# Altium PCB PCB_3U_DAC_no_BNC.PCBDOC (part 3 of 7)
Units mm, origin at the board's own origin, x right, y up, seen from the top; angles counter-clockwise.
Board outline 160 x 100 mm, 4 copper layers (TopLayer, Internal Plane 2, Signal Layer 1, BottomLayer), stack 1.563 mm thick; 706 components, 563 nets, 2139 pads, 736 vias.
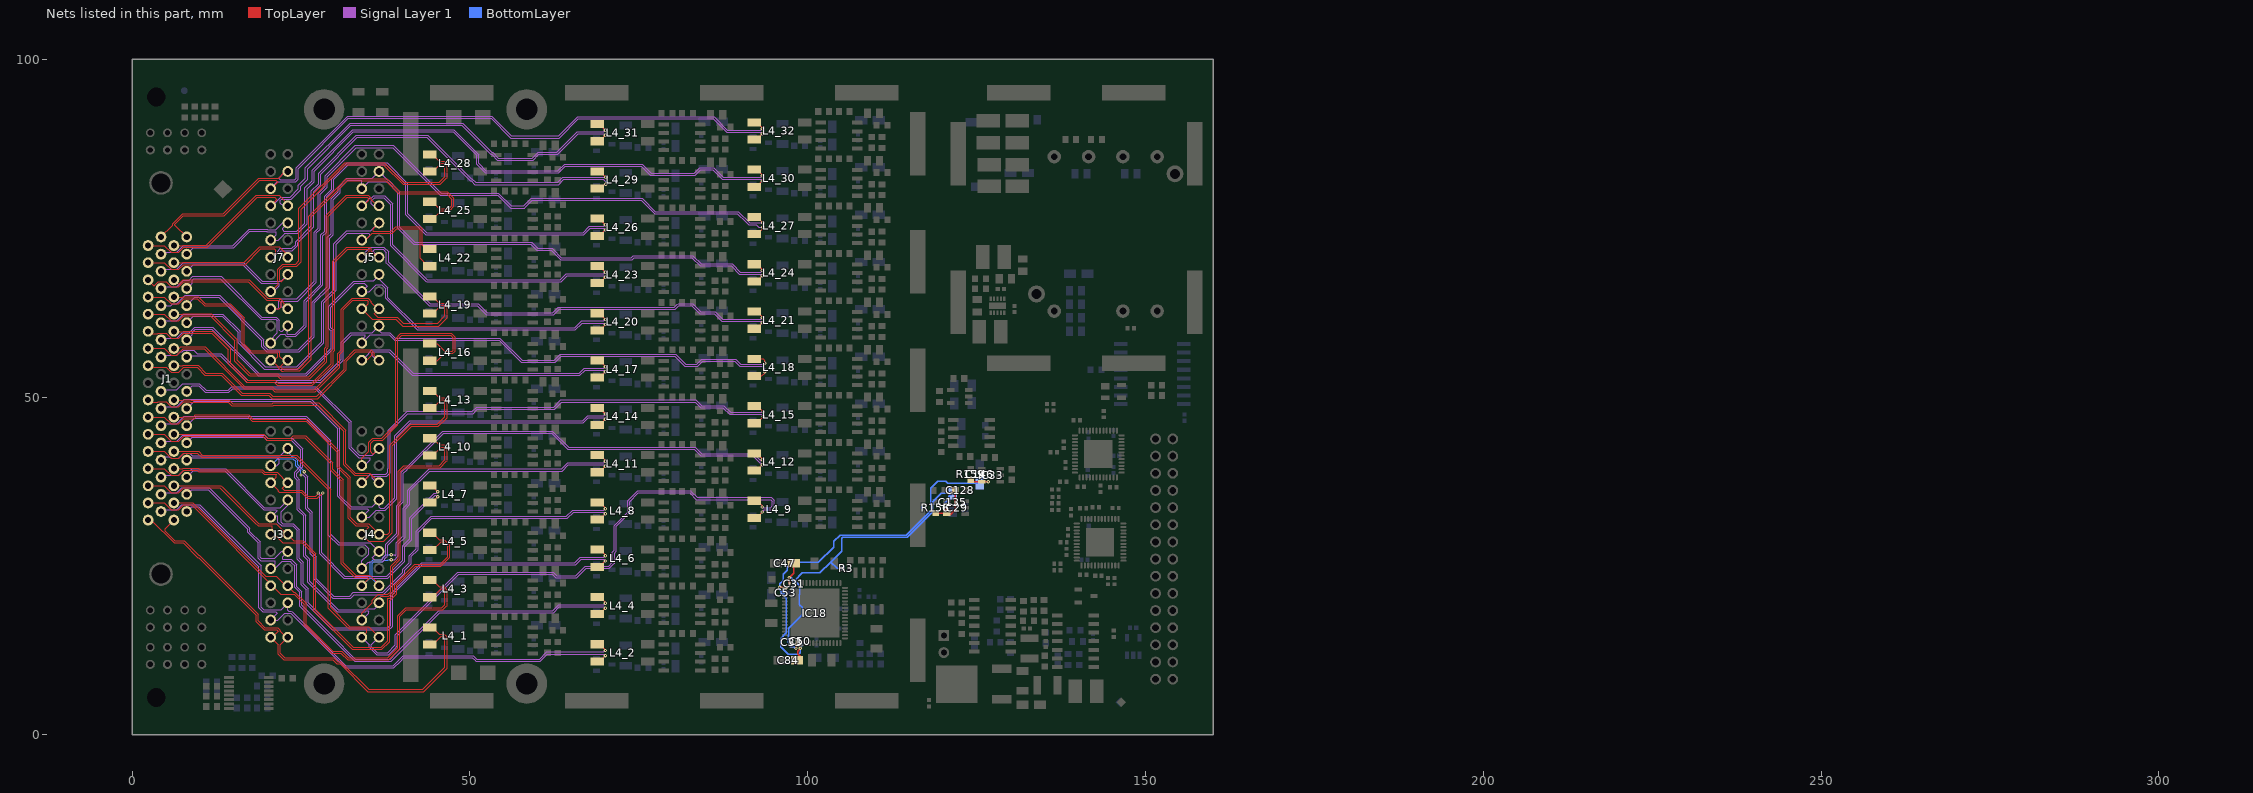
[diagram p5: the nets of this part, all layers, seen from the top]

## Via types
v1: diameter 0.5, hole 0.2, TopLayer to BottomLayer, tented both sides, 685 vias
v2: diameter 1, hole 0.5, TopLayer to BottomLayer, tented both sides, 21 vias
v3: diameter 0.6, hole 0.3, TopLayer to BottomLayer, tented both sides, 21 vias
v4: diameter 1, hole 0.6, TopLayer to BottomLayer, tented both sides, 9 vias

## Nets (pads, with @x,y where several pads share a name; then routed paths per layer and width w, separated by ;. In a path a pad name is that pad's centre, name@x,y a point inside that pad or via, vN(x,y) a via of type N, cw(c..) or ccw(c..) an arc to the next point about the centre after c; other vN are vias at no path point) (continued)
DAC_OUT_N1: J1.35 J3.2 L4_1.3 | length 68.1
  TopLayer w0.152: J1.35@2.355,31.801 2.838,31.801 6.194,28.445 7.54,28.445 9.732,26.254 9.826,26.254 18.335,17.745 18.335,16.762 19.529,15.567 21.407,15.567 21.61,15.364 20.712,14.466 J3.2@20.492,14.466 21.61,13.349 21.61,11.936 22.424,11.122 29.707,11.122 30.289,10.541 30.778,10.541 34.896,6.423 43.15,6.423 46.605,9.878 46.605,14.5 46.186,14.919 45.432,14.919 L4_1.3@44.506,15.845 ; L4_1.3@44.046,15.921 44.046,16.025 44.325,16.025 L4_1.3@44.506,15.845 ; L4_1.3@44.122,15.845 L4_1.3@44.506,15.845
DAC_OUT_N2: J1.36 J3.5 L4_2.3 | length 84.2
  TopLayer w0.152: L4_2.3@68.846,13.421 69.256,13.421 70.051,12.626 v1(70.051,12.496)
  Signal Layer 1 w0.152: J1.36@4.26,33.071 4.527,33.338 6.581,33.338 7.327,34.084 10.003,34.084 19.071,25.015 19.071,18.92 19.452,18.539 22.025,18.539 J3.5@23.032,19.546 23.032,18.425 23.143,18.314 23.574,18.314 23.679,18.209 23.719,18.209 23.897,18.03 23.897,17.991 31.63,10.259 38.616,10.259 39.594,11.237 40.089,11.732 50.467,11.732 50.966,11.234 60.306,11.234 61.346,12.274 69.829,12.274 v1(70.051,12.496)
DAC_OUT_N3: J1.37 J3.8 L4_3.3 | length 68.4
  TopLayer w0.152: J1.37@2.355,34.341 4.746,34.341 5.749,33.338 6.918,33.338 7.654,34.074 8.486,34.074 8.524,34.036 8.807,34.036 22.016,20.828 23.953,20.828 25.438,19.342 25.438,16.218 29.464,12.192 29.553,12.103 30.9,12.103 31.878,11.125 37.972,11.125 39.631,12.784 39.631,17.533 40.589,18.491 45.946,18.491 46.515,19.061 46.605,19.15 46.605,21.5 46.515,21.589 46.186,21.919 45.432,21.919 L4_3.3@44.506,22.845 ; L4_3.3@44.046,22.921 44.046,23.025 44.325,23.025 L4_3.3@44.506,22.845 ; L4_3.3@44.122,22.845 L4_3.3@44.506,22.845
DAC_OUT_N4: J1.38 J3.11 L4_4.3 | length 89.2
  TopLayer w0.152: L4_4.3@68.846,20.421 69.241,20.421 70.051,19.611 v1(70.051,19.496)
  Signal Layer 1 w0.152: J1.38@4.26,35.611 4.527,35.878 6.581,35.878 7.327,36.624 11.4,36.624 17.42,30.603 17.42,30.096 18.944,28.572 18.944,26.306 19.133,26.117 21.117,26.117 22.166,27.166 J3.11@23.032,27.166 22.25,26.384 22.25,26 23.508,26 24.34,25.168 24.34,21.951 25.072,21.219 25.072,19.187 25.162,19.098 29.517,14.742 33.036,11.224 38.216,11.224 39.195,12.202 45.405,18.412 62.25,18.412 63.112,19.274 69.829,19.274 v1(70.051,19.496)
DAC_OUT_N5: J1.39 J3.14 L4_5.3 | length 76.9
  TopLayer w0.152: J1.39@2.355,36.881 4.746,36.881 5.749,35.878 6.918,35.878 7.654,36.614 12.96,36.614 18.17,31.405 18.636,30.938 20.752,30.938 20.752,29.965 22.269,28.448 25.146,28.448 26.873,26.721 26.873,18.372 32.596,12.649 36.956,12.649 38.1,13.793 38.1,19.939 38.214,19.939 39.047,20.772 39.136,20.861 39.136,22.118 41.964,24.946 45.705,24.946 47.041,26.282 47.041,28.064 46.186,28.919 45.432,28.919 L4_5.3@44.506,29.845 ; L4_5.3@44.046,29.921 44.046,30.025 44.325,30.025 L4_5.3@44.506,29.845 ; L4_5.3@44.122,29.845 L4_5.3@44.506,29.845
DAC_OUT_N6: J1.40 J3.17 L4_6.3 | length 95
  TopLayer w0.152: L4_6.3@68.846,27.421 69.302,27.421 70.051,26.672 v1(70.051,26.496) v1@69.926,26.622
  Signal Layer 1 w0.152: J1.40@4.26,38.151 4.527,38.418 6.918,38.418 7.654,39.154 8.598,39.154 8.861,39.418 13.813,39.418 19.579,33.652 21.898,33.652 J3.17@23.032,34.786 23.032,34.032 22.029,33.029 22.029,31.471 22.257,31.243 23.86,31.243 24.71,30.392 24.71,26.163 25.306,25.568 25.306,22.351 26.037,21.619 26.037,19.587 29.769,15.856 37.814,15.856 38.034,16.075 38.147,16.075 38.274,16.202 38.274,20.933 42.826,25.486 65.541,25.486 66.329,26.274 69.829,26.274 v1(70.051,26.496)
DAC_OUT_N7: J1.41 J3.20 L4_7.3 | length 68.4
  TopLayer w0.152: J1.41@2.355,39.421 4.746,39.421 5.749,38.418 6.918,38.418 7.654,39.154 9.658,39.154 9.877,38.935 19.148,38.935 19.44,38.644 19.529,38.554 21.307,38.554 21.345,38.517 21.345,38.179 J3.20@20.492,37.326 21.61,36.209 21.61,36.066 21.789,35.887 24.99,35.887 25.879,34.998 27.423,34.998 28.211,35.787 v1(28.211,35.811) ; L4_7.3@43.721,36.921 L4_7.3@44.046,36.921 44.359,36.921 45.251,36.029 v1(45.251,35.996)
  Signal Layer 1 w0.152: v1(28.211,35.811) 28.038,35.637 28.038,26.931 31.476,23.492 37.69,23.492 40.052,25.854 40.052,28.01 40.976,28.934 41.065,29.023 41.065,32.134 44.705,35.774 45.029,35.774 v1(45.251,35.996)
DAC_OUT_N8: J1.42 J3.23 L4_8.3 | length 94.6
  TopLayer w0.152: L4_8.3@68.846,34.421 69.287,34.421 70.051,33.657 v1(70.051,33.496) v1@69.926,33.622
  Signal Layer 1 w0.152: J1.42@4.26,40.691 4.765,41.196 5.512,41.196 5.749,40.958 6.918,40.958 7.067,41.107 7.655,41.694 8.486,41.694 8.875,41.305 21.931,41.305 J3.23@23.032,42.406 ; v1(25.455,38.944) 25.455,38.698 25.879,38.274 25.968,38.185 25.968,33.613 26.641,32.94 26.641,26.963 27.236,26.367 27.236,23.151 29.837,20.55 32.213,20.55 32.745,21.083 37.058,21.083 40.052,24.076 40.052,24.489 41.017,25.455 41.017,26.538 42.03,27.552 42.03,30.124 44.25,32.344 64.271,32.344 65.201,33.274 69.829,33.274 v1(70.051,33.496)
  BottomLayer w0.152: J3.23@23.032,42.406 23.032,41.883 23.72,41.196 23.922,41.196 24.482,40.636 24.482,40.002 25.455,39.029 v1(25.455,38.944)
DAC_OUT_N9: J1.43 J4.2 L4_9.3 | length 137.5
  TopLayer w0.152: J1.43@2.355,41.961 4.746,41.961 5.749,40.958 6.918,40.958 7.654,41.694 9.658,41.694 10.258,41.094 24.228,41.094 29.054,36.268 29.054,18.743 31.632,16.165 32.098,15.698 34.722,15.698 34.722,15.195 J4.2@33.992,14.466 ; L4_9.3@92.046,34.671 92.482,34.671 93.251,33.901 v1(93.251,33.746)
  Signal Layer 1 w0.152: J4.2@33.992,14.466 35.11,13.349 35.11,12.952 36.178,11.884 37.943,11.884 38.921,12.863 39.264,13.206 39.264,14.692 48.348,23.776 58.606,23.776 58.614,23.768 59.242,23.768 59.25,23.776 62.206,23.776 62.732,23.25 65.818,23.25 67.204,24.635 70.633,24.635 71.306,25.309 71.395,25.398 71.395,26.922 71.56,27.087 71.649,27.176 71.649,30.859 73.66,32.87 73.66,34.544 74.93,35.814 82.55,35.814 83.516,34.848 94.488,34.848 94.75,34.586 94.75,33.914 94.486,33.651 93.347,33.651 v1(93.251,33.746)
DAC_OUT_N10: J1.44 J4.5 L4_10.3 | length 90.2
  TopLayer w0.152: J4.5@36.532,19.546 36.532,20.226 36.83,20.523 37.972,20.523 38.463,21.014 38.552,21.103 38.552,24.836 39.696,25.98 39.696,38.934 40.335,39.573 45.592,39.573 46.515,40.496 46.605,40.586 46.605,42.5 46.515,42.589 46.186,42.919 45.432,42.919 L4_10.3@44.506,43.845 ; L4_10.3@44.046,43.921 44.046,44.025 44.325,44.025 L4_10.3@44.506,43.845 ; L4_10.3@44.122,43.845 L4_10.3@44.506,43.845
  Signal Layer 1 w0.152: J1.44@4.26,43.231 4.527,43.498 6.581,43.498 7.454,44.371 19.649,44.371 20.077,43.943 23.7,43.943 25.271,42.373 25.271,39.693 24.333,38.756 24.333,38.209 24.748,37.794 24.748,33.468 24.837,33.379 25.675,32.54 25.675,26.563 26.271,25.968 26.271,22.751 30.479,18.543 34.408,18.543 34.531,18.666 35.912,18.666 36.532,19.287 J4.5@36.532,19.546
DAC_OUT_N11: J1.45 J4.8 L4_11.3 | length 103
  TopLayer w0.152: J1.45@2.355,44.501 4.746,44.501 5.749,43.498 6.918,43.498 7.654,44.234 19.354,44.234 19.951,43.638 23.574,43.638 23.951,44.015 25.548,44.015 29.409,40.155 29.409,39.203 30.959,37.653 30.959,25.347 32.864,23.441 32.987,23.318 34.821,23.318 35.023,23.116 J4.8@33.992,22.086 ; L4_11.3@68.846,41.421 69.127,41.421 69.578,40.97 69.723,40.97 70.051,40.642 v1(70.051,40.496)
  Signal Layer 1 w0.152: v1(38.354,26.67) 38.83,26.67 38.96,26.54 39.087,26.667 39.087,28.41 40.011,29.334 40.1,29.423 40.1,33.555 40.724,34.179 40.814,34.268 40.814,36.242 43.939,39.367 63.547,39.367 64.454,40.274 69.829,40.274 v1(70.051,40.496)
  BottomLayer w0.152: J4.8@33.992,22.086 35.2,23.294 35.2,25.48 35.654,25.934 36.894,25.934 37.63,26.67 v1(38.354,26.67)
DAC_OUT_N12: J1.46 J4.11 L4_12.3 | length 125.5
  TopLayer w0.152: L4_12.3@92.046,41.671 92.441,41.671 93.155,40.957 93.155,40.843 v1(93.251,40.746)
  Signal Layer 1 w0.152: J1.46@4.26,45.771 4.527,46.038 6.581,46.038 7.708,47.165 25.751,47.165 29.358,43.557 29.358,29.715 30.628,28.445 33.422,28.445 33.451,28.474 35.224,28.474 J4.11@36.532,27.166 35.563,26.197 35.826,25.934 36.957,25.934 37.088,26.066 37.088,26.222 37.532,26.666 37.541,26.666 37.541,28.229 39.135,29.823 39.135,33.955 39.849,34.668 39.849,38.888 40.834,39.874 40.863,39.874 45.973,44.983 62.198,44.983 64.588,42.593 83.314,42.593 84.292,41.615 92.006,41.615 92.096,41.526 93.023,40.599
DAC_OUT_N13: J1.47 J4.14 L4_13.3 | length 80.8
  TopLayer w0.152: J1.47@2.355,47.041 4.746,47.041 5.749,46.038 6.918,46.038 7.654,46.774 9.206,46.774 9.495,47.063 17.124,47.063 17.742,46.445 25.786,46.445 30.374,41.856 30.374,39.602 31.975,38.002 31.975,32.078 33.029,31.024 33.118,30.934 34.816,30.934 35,30.75 35,30.714 J4.14@33.992,29.706 34.996,28.703 37.262,28.703 38.463,29.904 38.463,42.781 41.351,45.669 45.315,45.669 46.605,46.959 46.605,49.5 46.186,49.919 45.432,49.919 L4_13.3@44.506,50.845 ; L4_13.3@44.046,50.921 44.046,51.025 44.325,51.025 L4_13.3@44.506,50.845 ; L4_13.3@44.122,50.845 L4_13.3@44.506,50.845
DAC_OUT_N14: J1.48 J4.17 L4_14.3 | length 94.5
  TopLayer w0.152: L4_14.3@68.846,48.421 L4_14.3@69.127,48.421 ; L4_14.3@69.127,48.421 v1(70.051,47.496) 70.051,47.627 69.257,48.421 L4_14.3@69.127,48.421
  Signal Layer 1 w0.152: J1.48@4.26,48.311 4.527,48.578 6.581,48.578 7.708,49.705 26.513,49.705 30.755,45.462 30.755,35.43 32.406,33.779 35.525,33.779 J4.17@36.532,34.786 36.532,33.718 36.696,33.554 37.338,33.554 38.883,35.1 38.883,37.592 38.858,37.617 38.858,44.269 41.119,46.53 66.664,46.53 67.408,47.274 69.829,47.274 v1(70.051,47.496)
DAC_OUT_N15: J1.49 J4.20 L4_15.3 | length 112.8
  TopLayer w0.152: J1.49@2.355,49.581 2.714,49.222 3.752,49.222 3.844,49.314 5.013,49.314 5.749,48.578 6.918,48.578 7.654,49.314 8.486,49.314 8.578,49.222 14.247,49.222 14.755,48.714 20.857,48.714 20.976,48.833 27.461,48.833 31.34,44.955 31.34,40.002 32.914,38.427 34.75,38.427 34.916,38.261 34.916,38.25 J4.20@33.992,37.326 ; L4_15.3@92.046,48.671 92.553,48.671 v1(93.396,47.828)
  Signal Layer 1 w0.152: J4.20@33.992,37.326 35.271,38.605 37.563,38.605 37.85,38.893 37.85,39.401 37.893,39.443 37.893,45.081 40.687,47.876 50.339,47.876 50.974,48.511 62.404,48.511 63.471,49.578 83.439,49.578 84.273,48.744 87.577,48.744 88.569,47.752 93.32,47.752 v1(93.396,47.828)
DAC_OUT_N16: J1.50 J4.23 L4_16.3 | length 75.3
  TopLayer w0.152: J4.23@36.532,42.406 35.782,41.656 35.56,41.656 35.306,41.91 35.306,43.18 35.764,43.638 37.074,43.638 39.327,45.89 39.327,58.548 39.91,59.131 47.118,59.131 47.498,58.751 47.498,56.941 47.36,56.803 46.239,56.803 45.122,57.921 L4_16.3@44.046,57.921
  Signal Layer 1 w0.152: J1.50@4.26,50.851 4.527,51.118 6.581,51.118 7.454,51.991 9.94,51.991 10.931,51 14.183,51 14.75,51.567 27.19,51.567 32.406,46.351 32.406,42.574 33.577,41.403 35.529,41.403 J4.23@36.532,42.406
DAC_OUT_N17: J1.53 J5.2 L4_17.3 | length 81.7
  TopLayer w0.152: J1.53@2.355,54.661 2.622,54.394 5.013,54.394 5.749,53.658 6.918,53.658 7.654,54.394 9.614,54.394 10.759,53.25 13.185,53.25 16.082,50.353 16.171,50.264 20.235,50.264 20.7,49.799 27.469,49.799 31.695,54.025 31.695,55.294 33.1,56.698 35.218,56.698 35.531,56.385 35.531,56.258 34.739,55.466 J5.2@33.992,55.466 ; L4_17.3@68.846,55.421 69.217,55.421 70.051,54.586 v1(70.051,54.496)
  Signal Layer 1 w0.152: J5.2@33.992,55.466 34.98,56.453 34.98,56.495 35.488,57.003 38.088,57.003 41.576,53.515 66.141,53.515 66.9,54.274 69.829,54.274 v1(70.051,54.496)
DAC_OUT_N18: J1.54 J5.5 L4_18.3 | length 102.7
  TopLayer w0.152: L4_18.3@92.046,55.671 93.376,55.671 93.624,55.423 v1(93.624,55.042)
  Signal Layer 1 w0.152: J1.54@4.26,55.931 4.527,56.198 6.581,56.198 7.083,56.7 7.42,56.7 7.654,56.934 9.123,56.934 9.622,56.436 13.178,56.436 13.267,56.347 17.081,52.533 27.868,52.533 30.959,55.623 30.959,58.14 32.374,59.555 33.565,59.555 33.577,59.543 35.529,59.543 J5.5@36.532,60.546 36.532,59.828 36.838,59.522 38.159,59.522 38.953,58.728 54.428,58.728 57.703,55.453 60.387,55.453 60.392,55.458 61.02,55.458 61.025,55.453 62.488,55.453 63.293,56.258 63.383,56.347 80.467,56.347 81.918,54.897 83.599,54.897 84.328,55.626 89.331,55.626 90.093,54.864 93.447,54.864 v1(93.624,55.042)
DAC_OUT_N19: J1.55 J5.8 L4_19.3 | length 67.6
  TopLayer w0.152: J1.55@2.355,57.201 4.746,57.201 5.749,56.198 6.581,56.198 7.53,57.147 10.652,57.147 16.481,51.318 16.571,51.229 20.635,51.229 21.1,50.764 27.069,50.764 30.73,54.425 30.73,56.348 30.857,56.475 31.263,56.881 31.263,62.913 32.669,64.318 34.797,64.318 34.915,64.2 34.915,63.81 34.191,63.086 J5.8@33.992,63.086 35.529,61.549 39.035,61.549 40.083,60.501 45.384,60.501 46.605,61.722 46.605,63.5 46.186,63.919 45.432,63.919 L4_19.3@44.506,64.845 ; L4_19.3@44.046,64.921 44.046,65.025 44.325,65.025 L4_19.3@44.506,64.845 ; L4_19.3@44.122,64.845 L4_19.3@44.506,64.845
DAC_OUT_N20: J1.56 J5.11 L4_20.3 | length 86.2
  TopLayer w0.152: L4_20.3@68.846,62.421 69.127,62.421 v1(70.051,61.496)
  Signal Layer 1 w0.152: J1.56@4.26,58.471 4.527,58.738 6.581,58.738 7.403,59.56 8.429,59.56 9.242,60.373 11.908,60.373 18.783,53.498 25.658,53.498 29.435,57.274 29.435,59.814 29.181,60.068 29.091,60.157 29.091,63.458 29.181,63.547 32.796,67.163 34.408,67.163 34.476,67.231 35.731,67.231 J5.11@36.532,68.032 ; J5.11@36.532,68.166 J5.11@36.532,68.032 ; v1(70.051,61.496) 69.829,61.274 66.519,61.274 65.491,60.246 59.28,60.246 59.242,60.284 58.614,60.284 58.576,60.246 42.338,60.246 37.84,64.743 37.84,66.168 36.532,67.476 J5.11@36.532,68.032
DAC_OUT_N21: J1.57 J5.14 L4_21.3 | length 125
  TopLayer w0.152: J1.57@2.355,59.741 2.714,59.382 3.752,59.382 3.844,59.474 5.013,59.474 5.749,58.738 6.918,58.738 7.654,59.474 11.804,59.474 14.245,57.033 14.245,54.919 16.881,52.283 16.97,52.194 21.034,52.194 21.5,51.729 26.669,51.729 29.765,54.824 29.765,56.747 29.892,56.874 29.981,56.964 29.981,69.963 31.898,71.879 35.023,71.879 35.11,71.792 35.11,71.625 34.191,70.706 J5.14@33.992,70.706 ; L4_21.3@92.046,62.671 92.447,62.671 93.251,61.866 v1(93.251,61.746)
  Signal Layer 1 w0.152: J5.14@33.992,70.706 33.992,70.939 35.238,72.184 37.257,72.184 37.944,71.497 37.944,69.974 44.116,63.802 51.228,63.802 52.549,62.481 62.277,62.481 63.09,63.294 80.244,63.294 80.704,63.754 80.793,63.843 82.964,63.843 83.054,63.754 84.149,62.659 86.28,62.659 87.415,61.524 93.029,61.524 v1(93.251,61.746)
DAC_OUT_N22: J1.58 J5.17 L4_22.3 | length 66.3
  TopLayer w0.152: J5.17@36.532,75.786 35.676,74.93 35.676,74.56 35.682,74.554 38.341,74.554 39.026,75.239 42.623,75.239 42.921,74.942 42.921,72.519 43.519,71.921 L4_22.3@44.046,71.921
  Signal Layer 1 w0.152: J1.58@4.26,61.011 4.527,61.278 6.581,61.278 7.581,62.278 13.432,62.278 15.973,59.737 15.973,58.163 19.673,54.463 24.337,54.463 28.038,58.163 28.038,64.101 29.866,65.93 29.866,72.742 31.721,74.597 35.343,74.597 J5.17@36.532,75.786
DAC_OUT_N23: J1.59 J5.20 L4_23.3 | length 111.7
  TopLayer w0.152: J1.59@2.355,62.281 4.746,62.281 5.749,61.278 6.918,61.278 7.654,62.014 11.555,62.014 15.211,58.358 15.211,55.319 17.281,53.249 17.37,53.159 21.434,53.159 21.899,52.694 26.27,52.694 28.8,55.224 28.8,57.147 28.927,57.274 29.016,57.363 29.016,76.766 31.808,79.558 34.797,79.558 35,79.355 35,79.135 34.191,78.326 J5.20@33.992,78.326 ; L4_23.3@68.846,69.421 69.127,69.421 v1(70.051,68.496)
  Signal Layer 1 w0.152: J5.20@33.992,78.326 35.216,79.55 35.487,79.55 35.742,79.805 37.376,79.805 38.555,78.626 38.555,72.538 43.697,67.396 63.384,67.396 64.262,68.274 69.829,68.274 v1(70.051,68.496)
DAC_OUT_N24: J1.60 J5.23 L4_24.3 | length 126.4
  TopLayer w0.152: L4_24.3@92.046,69.671 92.483,69.671 93.251,68.902 v1(93.251,68.746)
  Signal Layer 1 w0.152: J1.60@4.26,63.551 5.733,63.551 6,63.818 6.581,63.818 7.835,65.072 12.924,65.072 19.489,58.507 19.489,57.591 20.077,57.003 24.591,57.003 26.641,59.052 26.641,64.069 28.901,66.33 28.901,73.633 29.435,74.166 29.435,79.361 30.476,80.402 30.476,81.099 31.78,82.403 35.529,82.403 J5.23@36.532,83.406 37.764,82.174 37.859,82.174 38.032,82.001 39.087,80.946 39.631,80.401 39.631,75.144 41.83,72.946 59.134,72.946 59.223,72.857 60.022,72.058 62.149,72.058 62.277,71.93 63.547,70.66 73.879,70.66 74.085,70.866 74.174,70.955 82.969,70.955 83.058,70.866 84.204,69.72 88.817,69.72 90.014,68.524 93.029,68.524 v1(93.251,68.746)
DAC_OUT_N25: J1.61 J7.2 L4_25.3 | length 85.4
  TopLayer w0.152: J1.61@2.355,64.821 4.746,64.821 5.749,63.818 6.918,63.818 7.654,64.554 9.661,64.554 10.718,63.497 14.398,63.497 16.271,61.624 16.271,57.738 17.42,56.588 21.561,56.588 21.561,56.004 21.023,55.466 J7.2@20.492,55.466 20.607,55.466 21.61,54.463 21.61,54.337 22.045,53.902 22.134,53.813 22.387,53.813 22.476,53.902 24.764,53.902 26.467,55.604 26.467,76.687 31.822,82.042 37.525,82.042 39.482,80.085 46.527,80.085 47.296,79.316 47.296,78.358 46.856,77.919 45.432,77.919 L4_25.3@44.506,78.845 ; L4_25.3@44.046,78.921 44.046,79.025 44.325,79.025 L4_25.3@44.506,78.845 ; L4_25.3@44.122,78.845 L4_25.3@44.506,78.845
DAC_OUT_N26: J1.62 J7.5 L4_26.3 | length 102.2
  TopLayer w0.152: L4_26.3@68.846,76.421 69.127,76.421 v1(70.051,75.496)
  Signal Layer 1 w0.152: J1.62@4.26,66.091 4.527,66.358 6.581,66.358 7.53,67.307 8.429,67.307 8.988,67.866 13.178,67.866 19.198,61.846 19.943,61.846 19.951,61.854 21.349,61.854 21.8,61.402 21.8,59.904 21.954,59.75 22.236,59.75 J7.5@22.936,60.45 ; J7.5@23.032,60.546 J7.5@22.936,60.45 ; v1(70.051,75.496) 69.829,75.274 67.662,75.274 66.731,74.343 43.601,74.343 40.805,77.139 40.805,81.641 40.75,81.696 37.905,84.541 37.732,84.714 31.869,84.714 29.511,82.356 29.511,80.802 28.469,79.761 28.469,74.566 27.936,74.033 27.936,66.73 25.447,64.24 25.447,60.652 24.109,59.314 22.936,59.314 J7.5@22.936,60.45
DAC_OUT_N27: J1.63 J7.8 L4_27.3 | length 123.5
  TopLayer w0.152: J1.63@2.355,67.361 3.21,66.507 3.257,66.507 3.844,67.094 5.013,67.094 5.749,66.358 6.918,66.358 7.654,67.094 17.174,67.094 19.951,64.318 21.705,64.318 22.029,63.994 22.029,63.37 21.745,63.086 J7.8@20.492,63.086 ; L4_27.3@92.046,76.671 92.161,76.556 92.608,76.556 93.345,75.819 v1(93.345,75.794)
  Signal Layer 1 w0.152: J7.8@20.492,63.086 21.614,63.086 21.724,63.197 21.724,64.246 22.011,64.532 24.374,64.532 26.971,67.129 26.971,74.432 27.504,74.966 27.504,80.161 28.546,81.202 28.546,82.756 33.044,87.254 38.677,87.254 45.72,80.211 54.218,80.211 56.134,78.295 57.975,78.295 59.103,79.423 75.488,79.423 77.441,77.47 89.703,77.47 91.379,75.794 v1(93.345,75.794)
DAC_OUT_N28: J1.64 J7.11 L4_28.3 | length 67.5
  TopLayer w0.152: J7.11@23.032,68.166 22.916,68.05 22.976,67.99 23.032,67.99 22.098,67.056 21.844,67.31 21.844,68.834 22.408,69.398 24.363,69.398 24.51,69.545 24.992,70.027 24.992,77.837 31.564,84.409 37.174,84.409 40.1,81.483 45.592,81.483 46.515,82.406 46.605,82.496 46.605,84.5 46.515,84.589 46.186,84.919 45.432,84.919 L4_28.3@44.506,85.845 ; L4_28.3@44.046,85.921 44.046,86.025 44.325,86.025 L4_28.3@44.506,85.845 ; L4_28.3@44.122,85.845 L4_28.3@44.506,85.845
  Signal Layer 1 w0.152: J1.64@4.26,68.631 4.527,68.898 6.581,68.898 7.581,69.898 16.48,69.898 19.215,67.163 20.908,67.163 20.925,67.18 22.046,67.18 J7.11@23.032,68.166
DAC_OUT_N29: J1.65 J7.14 L4_29.3 | length 88.4
  TopLayer w0.152: J1.65@2.355,69.901 4.746,69.901 5.749,68.898 6.918,68.898 7.654,69.634 16.699,69.634 19.003,71.938 21.062,71.938 21.25,71.75 21.25,71.111 20.845,70.706 J7.14@20.492,70.706 ; L4_29.3@68.846,83.421 69.233,83.421 v1(70.104,82.55)
  Signal Layer 1 w0.152: J7.14@20.492,70.706 20.845,70.706 21.51,71.371 21.51,71.574 21.942,72.006 23.593,72.006 24.177,72.59 24.177,73.003 26.539,75.366 26.539,80.56 27.58,81.602 27.58,83.155 33.175,88.75 43.75,88.75 50.164,82.336 50.291,82.336 50.851,81.775 62.979,81.775 63.754,82.55 v1(70.104,82.55)
DAC_OUT_N30: J1.66 J7.17 L4_30.3 | length 110.3
  TopLayer w0.152: L4_30.3@92.046,83.671 92.478,83.671 93.251,82.898 v1(93.251,82.746)
  Signal Layer 1 w0.152: J1.66@4.26,71.171 4.527,71.438 6.581,71.438 7.581,72.438 14.88,72.438 17.293,74.851 20.009,74.851 20.077,74.783 21.283,74.783 22.286,75.786 J7.17@23.032,75.786 23.032,75.782 22.25,75 22.25,74.75 22.446,74.554 24.363,74.554 25.574,75.765 25.574,80.96 26.615,82.002 26.615,83.555 32.615,89.555 47.626,89.555 47.996,89.185 51.284,85.897 51.284,84.606 52.365,83.525 63.025,83.525 64.003,84.503 75.485,84.503 76.828,83.16 83.211,83.16 84.024,83.972 86.055,83.972 87.504,82.524 93.029,82.524 v1(93.251,82.746)
DAC_OUT_N31: J1.67 J7.20 L4_31.3 | length 85.5
  TopLayer w0.152: J1.67@2.355,72.441 4.746,72.441 5.749,71.438 6.918,71.438 7.654,72.174 11.111,72.174 18.495,79.558 21.108,79.558 21.416,79.25 J7.20@20.492,78.326 ; L4_31.3@68.846,90.421 69.127,90.421 v1(70.051,89.496)
  Signal Layer 1 w0.152: J7.20@20.492,78.326 20.718,78.326 22.018,79.626 23.415,79.626 24.609,80.82 24.609,81.36 25.65,82.401 25.65,83.955 32.25,90.555 48.909,90.555 49.314,90.15 53.234,86.23 53.36,86.23 54.195,85.395 59.236,85.395 60.072,86.23 62.836,86.23 65.879,89.274 69.829,89.274 v1(70.051,89.496)
DAC_OUT_N32: J1.68 J7.23 L4_32.3 | length 106.1
  TopLayer w0.152: J1.68@4.26,73.711 6.013,75.464 6.013,75.688 7.461,77.137 13.483,77.137 18.749,82.403 21.67,82.403 22.674,83.406 J7.23@23.032,83.406 ; L4_32.3@92.046,90.671 92.463,90.671 93.251,89.883 v1(93.251,89.746)
  Signal Layer 1 w0.152: J7.23@23.032,83.406 22.656,83.406 21.75,82.5 21.75,82.323 21.899,82.174 24.058,82.174 24.282,82.398 24.282,83.952 31.885,91.555 53.243,91.555 56.134,88.664 63.11,88.664 65.937,91.491 86.15,91.491 88.117,89.524 93.029,89.524 v1(93.251,89.746)
DAC_OUT_P1: J1.1 J3.1 L4_1.4 | length 65.5
  TopLayer w0.152: J1.1@6.165,31.801 4.885,30.521 4.885,30.185 6.32,28.75 7.667,28.75 9.858,26.559 9.952,26.559 18.64,17.871 18.64,16.888 19.656,15.872 21.533,15.872 21.915,15.49 21.915,15.364 22.813,14.466 J3.1@23.032,14.466 21.915,13.349 21.915,12.062 22.55,11.427 29.834,11.427 30.415,10.846 30.904,10.846 35.022,6.728 43.024,6.728 46.3,10.005 46.3,14.374 46.072,14.602 45.717,14.602 44.496,13.381 L4_1.4@44.046,13.381
DAC_OUT_P2: J1.2 J3.4 L4_2.4 | length 81.5
  TopLayer w0.152: L4_2.4@68.846,10.881 69.25,10.881 70.051,11.682 v1(70.051,11.746)
  Signal Layer 1 w0.152: J1.2@8.07,33.071 8.778,33.779 9.877,33.779 18.767,24.889 18.767,18.794 19.326,18.234 21.266,18.234 21.5,18 J3.4@20.506,17.006 ; J3.4@20.492,17.006 J3.4@20.506,17.006 ; v1(70.051,11.746) 69.829,11.969 61.472,11.969 60.522,11.018 60.432,10.929 50.839,10.929 50.75,11.018 50.341,11.427 40.216,11.427 39.721,10.932 38.742,9.954 31.503,9.954 29.522,11.935 23.448,18.009 22.555,18.009 21.552,17.006 J3.4@20.506,17.006
DAC_OUT_P3: J1.3 J3.7 L4_3.4 | length 62.3
  TopLayer w0.152: J1.3@6.165,34.341 7.49,34.341 7.528,34.379 8.612,34.379 8.65,34.341 8.934,34.341 19.783,23.492 21.357,23.492 J3.7@22.763,22.086 ; J3.7@23.032,22.086 23.032,21.976 23.876,21.133 24.079,21.133 25.654,19.558 25.743,19.469 25.743,16.344 29.68,12.408 31.026,12.408 32.004,11.43 37.846,11.43 39.327,12.911 39.327,17.66 40.463,18.796 45.819,18.796 46.3,19.277 46.3,21.374 46.072,21.602 45.717,21.602 44.496,20.381 L4_3.4@44.046,20.381
DAC_OUT_P4: J1.4 J3.10 L4_4.4 | length 85
  TopLayer w0.152: L4_4.4@68.846,17.881 69.186,17.881 v1(70.051,18.746)
  Signal Layer 1 w0.152: J1.4@8.07,35.611 8.778,36.319 11.274,36.319 17.116,30.477 17.116,29.97 18.64,28.446 18.64,26.179 19.007,25.812 21.188,25.812 21.188,25.321 J3.10@20.492,24.626 21.126,24.626 22.195,25.695 23.382,25.695 23.577,25.5 24.036,25.042 24.036,21.825 24.767,21.093 24.767,19.061 24.857,18.972 29.391,14.437 32.909,10.919 38.343,10.919 39.321,11.897 45.531,18.107 62.376,18.107 63.238,18.969 69.829,18.969 v1(70.051,18.746)
DAC_OUT_P5: J1.5 J3.13 L4_5.4 | length 70.5
  TopLayer w0.152: J1.5@6.165,36.881 7.49,36.881 7.528,36.919 13.087,36.919 13.306,36.7 18.763,31.243 21.303,31.243 22.84,29.706 J3.13@23.032,29.706 23.032,29.642 23.922,28.753 25.272,28.753 25.362,28.664 27.178,26.847 27.178,18.499 32.723,12.954 36.83,12.954 37.795,13.919 37.795,20.244 38.088,20.244 38.742,20.898 38.832,20.987 38.832,22.245 41.838,25.251 45.579,25.251 46.736,26.408 46.736,27.938 46.072,28.602 45.717,28.602 44.496,27.381 L4_5.4@44.046,27.381
DAC_OUT_P6: J1.6 J3.16 L4_6.4 | length 89.1
  TopLayer w0.152: L4_6.4@68.846,24.881 69.186,24.881 v1(70.051,25.746)
  Signal Layer 1 w0.152: J1.6@8.07,38.151 9.032,39.113 13.687,39.113 19.452,33.347 21.357,33.347 21.434,33.271 21.434,33.187 J3.16@20.492,32.246 20.677,32.431 21.569,32.431 21.569,31.5 22.131,30.938 23.733,30.938 24.405,30.266 24.405,26.037 25.001,25.442 25.001,22.225 25.733,21.493 25.733,19.461 25.822,19.372 29.643,15.551 37.94,15.551 38.16,15.771 38.273,15.771 38.579,16.076 38.579,20.807 42.952,25.181 65.667,25.181 65.757,25.27 66.455,25.969 69.829,25.969 v1(70.051,25.746)
DAC_OUT_P7: J1.7 J3.19 L4_7.4 | length 63.6
  TopLayer w0.152: J1.7@6.165,39.421 7.49,39.421 7.528,39.459 9.785,39.459 10.004,39.24 19.275,39.24 19.656,38.859 21.434,38.859 22.967,37.326 J3.19@23.032,37.326 22.206,36.5 22.206,36.486 22.5,36.192 25.117,36.192 26.006,35.303 27.149,35.303 27.559,35.714 v1(27.559,35.811) ; L4_7.4@43.597,34.381 L4_7.4@44.046,34.381 44.386,34.381 v1(45.251,35.246)
  Signal Layer 1 w0.152: v1(27.559,35.811) 27.733,35.637 27.733,26.805 31.35,23.187 37.816,23.187 39.391,24.763 40.357,25.728 40.357,27.884 41.281,28.808 41.37,28.897 41.37,32.008 44.831,35.469 45.029,35.469 v1(45.251,35.246)
  BottomLayer w0.152: v1@27.559,35.687 v1(27.559,35.811)
DAC_OUT_P8: J1.8 J3.22 L4_8.4 | length 92.4
  TopLayer w0.152: L4_8.4@68.846,31.881 69.186,31.881 v1(70.051,32.746)
  Signal Layer 1 w0.152: J1.8@8.07,40.691 8.379,41 21.5,41 21.75,40.75 21.75,40.25 21.366,39.866 J3.22@20.492,39.866 ; v1(24.994,38.482) 25.239,38.482 25.663,38.059 25.663,33.487 26.336,32.814 26.336,26.837 26.931,26.241 26.931,23.024 29.71,20.245 32.339,20.245 32.872,20.778 37.185,20.778 40.357,23.95 40.357,24.363 41.322,25.328 41.322,26.412 42.335,27.425 42.335,29.998 44.376,32.039 64.397,32.039 64.487,32.128 65.327,32.969 69.829,32.969 v1(70.051,32.746)
  BottomLayer w0.152: J3.22@20.492,39.866 21.517,40.891 23.796,40.891 24.177,40.51 24.177,39.876 24.976,39.076 24.976,38.5 v1(24.994,38.482)
DAC_OUT_P9: J1.9 J4.1 L4_9.4 | length 134.5
  TopLayer w0.152: J1.9@6.165,41.961 7.49,41.961 7.528,41.999 9.785,41.999 9.823,41.961 10.385,41.399 24.354,41.399 29.358,36.395 29.358,18.869 32.225,16.003 35.019,16.003 35.023,15.999 35.023,15.976 J4.1@36.532,14.466 ; L4_9.4@92.046,32.131 92.386,32.131 v1(93.251,32.996)
  Signal Layer 1 w0.152: J4.1@36.532,14.466 35.415,13.349 35.415,13.078 36.304,12.189 37.817,12.189 38.96,13.332 38.96,14.819 48.222,24.081 58.732,24.081 58.74,24.073 59.116,24.073 59.124,24.081 62.332,24.081 62.858,23.555 65.692,23.555 67.077,24.94 70.506,24.94 71.091,25.524 71.091,27.048 71.345,27.302 71.345,30.985 73.355,32.996 73.355,34.67 74.714,36.03 74.804,36.119 82.676,36.119 82.766,36.03 83.643,35.152 94.614,35.152 95.055,34.712 95.055,33.624 94.75,33.319 93.574,33.319 v1(93.251,32.996)
DAC_OUT_P10: J1.10 J4.4 L4_10.4 | length 88.7
  TopLayer w0.152: J4.4@33.992,17.006 33.992,17.99 35.529,19.527 35.529,19.962 36.396,20.828 37.846,20.828 38.247,21.229 38.247,24.962 39.391,26.106 39.391,39.06 40.209,39.878 45.466,39.878 46.3,40.712 46.3,42.374 46.072,42.602 45.717,42.602 44.496,41.381 L4_10.4@44.046,41.381
  Signal Layer 1 w0.152: J1.10@8.07,43.231 8.905,44.066 19.523,44.066 19.951,43.638 23.574,43.638 24.966,42.247 24.966,39.82 24.028,38.882 24.028,38.083 24.443,37.668 24.443,33.342 24.532,33.252 25.371,32.414 25.371,26.437 25.966,25.841 25.966,22.625 30.352,18.238 34.534,18.238 34.657,18.361 34.946,18.361 35.023,18.285 35.023,18.036 J4.4@33.992,17.006
DAC_OUT_P11: J1.11 J4.7 L4_11.4 | length 98.5
  TopLayer w0.152: J1.11@6.165,44.501 7.49,44.501 7.528,44.539 19.481,44.539 20.077,43.943 23.448,43.943 23.825,44.32 25.675,44.32 29.714,40.281 29.714,39.329 31.263,37.779 31.263,25.473 33.114,23.623 35.196,23.623 36.532,22.286 J4.7@36.532,22.086 ; L4_11.4@68.846,38.881 69.186,38.881 v1(70.051,39.746)
  Signal Layer 1 w0.152: v1(38.354,25.908) 38.835,25.908 39.057,26.13 39.057,26.191 39.06,26.191 39.341,26.472 39.341,26.49 39.391,26.541 39.391,28.283 40.316,29.208 40.405,29.297 40.405,33.428 41.029,34.053 41.119,34.142 41.119,36.116 44.065,39.062 63.674,39.062 64.58,39.969 69.829,39.969 v1(70.051,39.746)
  BottomLayer w0.152: J4.7@36.532,22.086 35.529,23.089 35.529,25.379 35.78,25.629 37.02,25.629 37.249,25.858 37.858,25.858 37.846,25.87 37.884,25.908 v1(38.354,25.908)
DAC_OUT_P12: J1.12 J4.10 L4_12.4 | length 123.9
  TopLayer w0.152: L4_12.4@92.046,39.131 92.386,39.131 v1(93.251,39.996)
  Signal Layer 1 w0.152: J1.12@8.07,45.771 9.159,46.86 25.625,46.86 29.054,43.431 29.054,29.589 30.502,28.14 33.548,28.14 33.577,28.169 34.408,28.169 34.996,27.582 34.996,26.751 33.992,25.747 J4.10@33.992,24.626 34.962,25.595 35.155,25.595 35.189,25.629 37.083,25.629 37.393,25.939 37.393,26.096 37.658,26.361 37.72,26.361 37.846,26.487 37.846,28.103 39.35,29.607 39.44,29.697 39.44,33.828 40.064,34.453 40.153,34.542 40.153,38.733 40.695,39.274 40.695,39.304 40.96,39.569 40.99,39.569 41.036,39.615 46.099,44.679 62.071,44.679 64.462,42.288 83.188,42.288 84.165,41.311 91.88,41.311 92.808,40.383 92.897,40.294 92.954,40.294 v1(93.251,39.996)
DAC_OUT_P13: J1.13 J4.13 L4_13.4 | length 72.3
  TopLayer w0.152: J1.13@6.165,47.041 7.49,47.041 7.528,47.079 9.08,47.079 9.369,47.368 17.25,47.368 17.868,46.75 25.912,46.75 30.679,41.983 30.679,39.729 32.279,38.128 32.279,32.204 33.245,31.239 34.999,31.239 J4.13@36.532,29.706 37.834,29.706 38.158,30.03 38.158,42.907 41.225,45.974 45.189,45.974 46.3,47.085 46.3,49.374 46.072,49.602 45.717,49.602 44.496,48.381 L4_13.4@44.046,48.381
DAC_OUT_P14: J1.14 J4.16 L4_14.4 | length 90.6
  TopLayer w0.152: L4_14.4@68.846,45.881 69.186,45.881 v1(70.051,46.746)
  Signal Layer 1 w0.152: J1.14@8.07,48.311 9.159,49.4 26.387,49.4 30.451,45.336 30.451,35.304 32.28,33.474 34.776,33.474 35,33.25 J4.16@33.996,32.246 ; J4.16@33.992,32.246 J4.16@33.996,32.246 ; v1(70.051,46.746) 69.829,46.969 67.535,46.969 66.791,46.225 41.246,46.225 39.163,44.142 39.163,41.91 39.188,41.885 39.188,34.974 37.464,33.249 36.117,33.249 35.114,32.246 J4.16@33.996,32.246
DAC_OUT_P15: J1.15 J4.19 L4_15.4 | length 109.9
  TopLayer w0.152: J1.15@6.165,49.581 6.219,49.527 7.436,49.527 7.528,49.619 8.612,49.619 8.704,49.527 14.373,49.527 14.881,49.019 20.73,49.019 20.849,49.138 27.588,49.138 27.665,49.061 31.555,45.171 31.644,45.081 31.644,40.128 33.041,38.732 35.126,38.732 J4.19@36.109,37.75 ; 35.327,38.531 J4.19@36.109,37.75 ; J4.19@36.532,37.326 J4.19@36.109,37.75 ; L4_15.4@92.046,46.131 92.412,46.131 v1(93.413,47.131)
  Signal Layer 1 w0.152: J4.19@36.532,37.326 36.235,37.326 35.531,38.031 35.531,38.3 37.689,38.3 38.198,38.809 38.198,44.955 40.814,47.571 50.466,47.571 51.101,48.206 62.531,48.206 63.598,49.273 83.313,49.273 84.147,48.439 87.451,48.439 88.443,47.447 93.097,47.447 v1(93.413,47.131)
DAC_OUT_P16: J1.16 J4.22 L4_16.4 | length 73.9
  TopLayer w0.152: J4.22@33.992,39.866 33.992,40.987 34.996,41.991 34.996,42.288 35.001,42.294 35.001,43.306 35.638,43.943 36.948,43.943 39.022,46.017 39.022,58.674 39.784,59.436 47.244,59.436 47.803,58.877 47.803,56.815 47.486,56.498 46.239,56.498 45.122,55.381 L4_16.4@44.046,55.381
  Signal Layer 1 w0.152: J1.16@8.07,50.851 8.905,51.686 9.814,51.686 10.805,50.695 14.309,50.695 14.876,51.263 27.064,51.263 32.102,46.225 32.102,42.447 33.5,41.049 35.201,41.049 35.25,41 35.25,40.75 34.366,39.866 J4.22@33.992,39.866
DAC_OUT_P17: J1.19 J5.1 L4_17.4 | length 76.5
  TopLayer w0.152: J1.19@6.165,54.661 7.49,54.661 7.528,54.699 9.741,54.699 10.885,53.555 13.311,53.555 16.208,50.658 16.297,50.569 20.361,50.569 20.826,50.103 27.343,50.103 31.39,54.151 31.39,55.42 32.973,57.003 35.344,57.003 35.835,56.511 35.835,56.163 J5.1@36.532,55.466 ; L4_17.4@68.846,52.881 69.186,52.881 v1(70.051,53.746)
  Signal Layer 1 w0.152: J5.1@36.532,55.466 36.187,55.466 35.5,56.153 35.5,56.584 35.614,56.698 37.961,56.698 41.449,53.21 66.268,53.21 67.027,53.969 69.829,53.969 v1(70.051,53.746)
DAC_OUT_P18: J1.20 J5.4 L4_18.4 | length 99.9
  TopLayer w0.152: L4_18.4@92.046,53.131 93.212,53.131 93.624,53.543 v1(93.624,53.746)
  Signal Layer 1 w0.152: J1.20@8.07,55.931 8.27,56.131 13.052,56.131 16.404,52.778 16.955,52.228 27.994,52.228 28.545,52.778 31.263,55.497 31.263,58.013 32.5,59.25 33.439,59.25 33.451,59.238 34.5,59.238 34.5,59 33.992,58.492 J5.4@33.992,58.006 35.204,59.218 38.032,59.218 38.827,58.423 54.302,58.423 57.577,55.148 60.513,55.148 60.518,55.153 60.894,55.153 60.899,55.148 62.615,55.148 63.509,56.043 80.341,56.043 81.792,54.592 83.725,54.592 84.454,55.321 89.205,55.321 89.967,54.559 93.285,54.559 93.624,54.219 v1(93.624,53.746)
DAC_OUT_P19: J1.21 J5.7 L4_19.4 | length 60.8
  TopLayer w0.152: J1.21@6.165,57.201 6.957,57.201 7.207,57.452 10.779,57.452 16.608,51.623 16.697,51.534 20.761,51.534 21.226,51.069 26.943,51.069 30.425,54.551 30.425,56.474 30.552,56.601 30.959,57.007 30.959,63.039 32.542,64.623 34.923,64.623 34.935,64.611 35.415,64.131 35.415,64.005 36.334,63.086 J5.7@36.532,63.086 35.814,62.368 36.328,61.854 39.238,61.854 40.141,60.951 45.203,60.951 46.3,62.048 46.3,63.374 46.072,63.602 45.717,63.602 44.496,62.381 L4_19.4@44.046,62.381
DAC_OUT_P20: J1.22 J5.10 L4_20.4 | length 83.6
  TopLayer w0.152: L4_20.4@68.846,59.881 69.186,59.881 v1(70.051,60.746)
  Signal Layer 1 w0.152: J1.22@8.07,58.471 8.861,59.262 8.861,59.56 9.369,60.068 11.782,60.068 18.182,53.667 18.657,53.193 25.784,53.193 26.259,53.667 29.65,57.059 29.739,57.148 29.739,59.94 29.65,60.03 29.396,60.284 29.396,63.332 32.923,66.858 34.318,66.858 34.426,66.75 34.771,66.405 J5.10@33.992,65.626 35.114,65.626 36.117,66.629 36.948,66.629 37.473,66.105 37.536,66.042 37.536,64.617 42.211,59.941 58.702,59.941 58.74,59.979 59.116,59.979 59.154,59.941 65.618,59.941 66.646,60.969 69.829,60.969 v1(70.051,60.746)
DAC_OUT_P21: J1.23 J5.13 L4_21.4 | length 119.9
  TopLayer w0.152: J1.23@6.165,59.741 6.219,59.687 7.436,59.687 7.528,59.779 11.931,59.779 14.55,57.16 14.55,55.046 17.007,52.588 17.097,52.499 21.161,52.499 21.626,52.034 26.543,52.034 29.46,54.951 29.46,56.874 29.587,57.001 29.676,57.09 29.676,70.089 31.771,72.184 35.149,72.184 35.238,72.095 35.415,71.918 35.415,71.625 36.334,70.706 J5.13@36.532,70.706 ; L4_21.4@92.046,60.131 92.386,60.131 v1(93.251,60.996)
  Signal Layer 1 w0.152: J5.13@36.532,70.706 35.613,71.625 35.867,71.879 37.131,71.879 37.639,71.371 37.639,69.848 37.728,69.759 43.989,63.497 51.101,63.497 52.422,62.176 62.404,62.176 63.217,62.989 80.37,62.989 80.92,63.538 82.838,63.538 84.022,62.354 86.153,62.354 87.289,61.219 93.029,61.219 v1(93.251,60.996)
DAC_OUT_P22: J1.24 J5.16 L4_22.4 | length 64.8
  TopLayer w0.152: J5.16@33.992,73.246 34.496,73.246 35.499,74.249 38.467,74.249 39.152,74.934 42.497,74.934 42.616,74.815 42.616,70.534 43.769,69.381 L4_22.4@44.046,69.381
  Signal Layer 1 w0.152: J1.24@8.07,61.011 9.032,61.973 13.306,61.973 15.668,59.611 15.668,58.037 19.546,54.158 24.464,54.158 28.342,58.037 28.342,63.975 30.171,65.804 30.171,72.616 31.848,74.292 35.038,74.292 35.15,74.181 35.15,73.9 34.496,73.246 J5.16@33.992,73.246
DAC_OUT_P23: J1.25 J5.19 L4_23.4 | length 107.6
  TopLayer w0.152: J1.25@6.165,62.281 7.49,62.281 7.528,62.319 11.681,62.319 15.515,58.485 15.515,55.445 17.497,53.464 21.56,53.464 22.026,52.999 26.143,52.999 28.495,55.35 28.495,57.273 28.711,57.49 28.711,76.892 31.682,79.863 34.923,79.863 35.415,79.371 35.415,79.245 36.334,78.326 J5.19@36.532,78.326 ; L4_23.4@68.846,66.881 69.186,66.881 v1(70.051,67.746)
  Signal Layer 1 w0.152: J5.19@36.532,78.326 35.674,78.326 35.404,78.596 35.404,79.035 35.868,79.5 37.25,79.5 38.25,78.5 38.25,72.412 43.481,67.18 43.571,67.091 63.51,67.091 64.388,67.969 69.829,67.969 v1(70.051,67.746)
DAC_OUT_P24: J1.26 J5.22 L4_24.4 | length 123
  TopLayer w0.152: L4_24.4@92.046,67.131 92.386,67.131 v1(93.251,67.996)
  Signal Layer 1 w0.152: J1.26@8.07,63.551 9.286,64.767 12.798,64.767 19.184,58.38 19.184,57.464 19.951,56.698 24.718,56.698 26.856,58.837 26.945,58.926 26.945,63.943 29.206,66.204 29.206,73.507 29.739,74.04 29.739,79.235 30.781,80.276 30.781,80.972 31.907,82.098 33.88,82.098 33.992,81.985 J5.22@33.992,80.866 34.996,81.869 37.732,81.869 39.327,80.275 39.327,75.018 41.703,72.641 59.008,72.641 59.896,71.753 62.023,71.753 63.42,70.355 74.005,70.355 74.3,70.65 82.842,70.65 84.078,69.415 88.691,69.415 89.887,68.219 93.029,68.219 v1(93.251,67.996)
DAC_OUT_P25: J1.27 J7.1 L4_25.4 | length 81.6
  TopLayer w0.152: J1.27@6.165,64.821 7.49,64.821 7.528,64.859 9.787,64.859 10.844,63.802 14.525,63.802 15.338,62.989 16.576,61.751 16.576,57.864 17.547,56.893 21.687,56.893 21.865,56.715 21.865,56.004 22.403,55.466 J7.1@23.032,55.466 22.918,55.466 21.915,54.463 22.26,54.117 22.35,54.207 24.638,54.207 26.162,55.731 26.162,76.813 31.696,82.347 37.652,82.347 39.608,80.39 46.653,80.39 47.6,79.443 47.6,78.232 46.971,77.602 45.717,77.602 44.496,76.381 L4_25.4@44.046,76.381
DAC_OUT_P26: J1.28 J7.4 L4_26.4 | length 100.6
  TopLayer w0.152: L4_26.4@68.846,73.881 69.186,73.881 v1(70.051,74.746)
  Signal Layer 1 w0.152: J1.28@8.07,66.091 8.861,66.882 8.861,67.307 9.115,67.561 13.052,67.561 19.071,61.541 20.069,61.541 ; 20.077,61.549 21.222,61.549 21.496,61.276 21.496,59.496 20.492,58.492 J7.4@20.492,58.006 20.756,58.006 22.025,59.275 22.544,59.275 22.81,59.009 24.235,59.009 25.752,60.526 25.752,64.114 28.241,66.603 28.241,73.906 28.774,74.44 28.774,79.635 29.816,80.676 29.816,82.23 31.995,84.409 37.605,84.409 40.5,81.515 40.5,77.013 43.474,74.038 66.858,74.038 67.789,74.969 69.829,74.969 v1(70.051,74.746)
DAC_OUT_P27: J1.29 J7.7 L4_27.4 | length 117.9
  TopLayer w0.152: J1.29@6.165,67.361 6.727,66.799 6.928,66.799 7.528,67.399 17.301,67.399 20.077,64.623 21.831,64.623 22.334,64.12 22.334,63.994 22.5,63.827 22.5,63.37 22.784,63.086 J7.7@23.032,63.086 ; L4_27.4@92.046,74.131 92.495,74.131 93.313,74.948 v1(93.313,75.131)
  Signal Layer 1 w0.152: J7.7@23.032,63.086 22.748,63.37 22.029,63.37 22.029,64.12 22.137,64.228 24.5,64.228 27.276,67.003 27.276,74.306 27.809,74.84 27.809,80.034 28.85,81.076 28.85,82.629 33.17,86.949 38.551,86.949 45.504,79.996 45.594,79.906 54.092,79.906 55.918,78.079 56.008,77.99 58.101,77.99 58.191,78.079 59.229,79.118 75.362,79.118 77.315,77.165 89.576,77.165 90.796,75.946 91.253,75.489 92.405,75.489 92.763,75.131 v1(93.313,75.131)
DAC_OUT_P28: J1.30 J7.10 L4_28.4 | length 63
  TopLayer w0.152: J7.10@20.492,65.626 21.59,66.724 21.59,67.133 21.539,67.184 21.539,68.96 22.282,69.703 24.237,69.703 24.688,70.154 24.688,77.964 31.438,84.714 37.301,84.714 40.227,81.788 45.466,81.788 46.3,82.622 46.3,84.374 46.072,84.602 45.717,84.602 44.496,83.381 L4_28.4@44.046,83.381
  Signal Layer 1 w0.152: J1.30@8.07,68.631 9.032,69.593 16.354,69.593 19.071,66.875 19.089,66.858 21.034,66.858 21.051,66.875 21.75,66.875 21.75,66.5 20.876,65.626 J7.10@20.492,65.626
DAC_OUT_P29: J1.31 J7.13 L4_29.4 | length 85
  TopLayer w0.152: J1.31@6.165,69.901 7.49,69.901 7.528,69.939 16.573,69.939 18.876,72.243 21.755,72.243 22.284,71.714 23.032,70.965 J7.13@23.032,70.706 ; L4_29.4@68.846,80.881 69.296,80.881 69.949,81.534 v1(70.104,81.534)
  Signal Layer 1 w0.152: J7.13@23.032,70.706 22.48,70.706 21.815,71.371 21.815,71.447 22.069,71.701 23.719,71.701 24.482,72.464 24.482,72.877 26.844,75.239 26.844,80.434 27.885,81.476 27.885,83.029 33.301,88.445 43.624,88.445 50.038,82.031 50.164,82.031 50.725,81.47 63.105,81.47 63.88,82.245 69.732,82.245 70.104,81.873 v1(70.104,81.534)
DAC_OUT_P30: J1.32 J7.16 L4_30.4 | length 106.4
  TopLayer w0.152: L4_30.4@92.046,81.131 92.386,81.131 v1(93.251,81.996)
  Signal Layer 1 w0.152: J1.32@8.07,71.171 9.032,72.133 15.007,72.133 17.42,74.546 19.883,74.546 19.951,74.478 21.307,74.478 21.307,74.06 J7.16@20.492,73.246 21.614,73.246 22.482,74.114 22.617,74.249 24.489,74.249 25.879,75.639 25.879,80.834 26.92,81.875 26.92,83.429 32.741,89.25 47.5,89.25 50.979,85.771 50.979,84.48 52.238,83.221 63.152,83.221 64.129,84.198 75.358,84.198 76.702,82.855 83.337,82.855 84.15,83.668 85.929,83.668 87.378,82.219 93.029,82.219 v1(93.251,81.996)
DAC_OUT_P31: J1.33 J7.19 L4_31.4 | length 81.7
  TopLayer w0.152: J1.33@6.165,72.441 7.49,72.441 7.528,72.479 10.985,72.479 18.368,79.863 21.755,79.863 23.032,78.585 J7.19@23.032,78.326 ; L4_31.4@68.846,87.881 69.186,87.881 v1(70.051,88.746)
  Signal Layer 1 w0.152: J7.19@23.032,78.326 22.353,78.326 21.942,78.737 21.942,79.118 22.145,79.321 23.541,79.321 24.913,80.694 24.913,81.234 25.955,82.275 25.955,83.829 32.376,90.25 48.783,90.25 53.107,85.925 53.234,85.925 54.069,85.09 59.363,85.09 60.198,85.925 62.962,85.925 66.005,88.969 69.829,88.969 v1(70.051,88.746)
DAC_OUT_P32: J1.34 J7.22 L4_32.4 | length 104.9
  TopLayer w0.152: J1.34@8.07,73.711 6.317,75.464 6.317,75.562 7.587,76.832 13.61,76.832 18.876,82.098 21.276,82.098 21.536,81.838 20.565,80.866 J7.22@20.492,80.866 ; L4_32.4@92.046,88.131 92.386,88.131 v1(93.251,88.996)
  Signal Layer 1 w0.152: J7.22@20.492,80.866 21.496,81.869 24.184,81.869 24.587,82.272 24.587,83.826 32.011,91.25 53.117,91.25 55.918,88.448 56.008,88.359 63.236,88.359 63.326,88.448 66.063,91.186 86.024,91.186 87.991,89.219 93.029,89.219 v1(93.251,88.996)
DAC_OUTN0_1: 
DAC_OUTN0_2: 
DAC_OUTN0_3: 
DAC_OUTN0_4: 
DAC_OUTN1_1: 
DAC_OUTN1_2: 
DAC_OUTN1_3: 
DAC_OUTN1_4: 
DAC_OUTN2_1: 
DAC_OUTN2_2: 
DAC_OUTN2_3: 
DAC_OUTN2_4: 
DAC_OUTN3_1: 
DAC_OUTN3_2: 
DAC_OUTN3_3: 
DAC_OUTN3_4: 
DAC_OUTN4_1: 
DAC_OUTN4_2: 
DAC_OUTN4_3: 
DAC_OUTN4_4: 
DAC_OUTN5_1: 
DAC_OUTN5_2: 
DAC_OUTN5_3: 
DAC_OUTN5_4: 
DAC_OUTN6_1: 
DAC_OUTN6_2: 
DAC_OUTN6_3: 
DAC_OUTN6_4: 
DAC_OUTN7_1: 
DAC_OUTN7_2: 
DAC_OUTN7_3: 
DAC_OUTN7_4: 
DAC_OUTP0_1: 
DAC_OUTP0_2: 
DAC_OUTP0_3: 
DAC_OUTP0_4: 
DAC_OUTP1_1: 
DAC_OUTP1_2: 
DAC_OUTP1_3: 
DAC_OUTP1_4: 
DAC_OUTP2_1: 
DAC_OUTP2_2: 
DAC_OUTP2_3: 
DAC_OUTP2_4: 
DAC_OUTP3_1: 
DAC_OUTP3_2: 
DAC_OUTP3_3: 
DAC_OUTP3_4: 
DAC_OUTP4_1: 
DAC_OUTP4_2: 
DAC_OUTP4_3: 
DAC_OUTP4_4: 
DAC_OUTP5_1: 
DAC_OUTP5_2: 
DAC_OUTP5_3: 
DAC_OUTP5_4: 
DAC_OUTP6_1: 
DAC_OUTP6_2: 
DAC_OUTP6_3: 
DAC_OUTP6_4: 
DAC_OUTP7_1: 
DAC_OUTP7_2: 
DAC_OUTP7_3: 
DAC_OUTP7_4: 
DAC_VDD: C31.2 C33.2 C47.1 C128.2 C135.1 IC18.16 IC18.35 IC29.5 R3.1 R156.2 | length 59.5
  TopLayer w0.2: IC18.16@97.313,22.481 97.253,22.541 v1(97.253,23.238) 97.918,23.903 C47.1@97.918,25.397 ; v1(98.269,12.824) 98.269,13.537 IC18.35@98.313,13.581 ; R156.2@118.933,32.847 IC29.5@120.433,32.847 ; v1(120.142,33.553) 120.433,33.262 IC29.5@120.433,32.847 ; C128.2@121.808,36.222 121.808,33.316 121.19,32.697 IC29.5@120.583,32.697 IC29.5@120.433,32.847
  BottomLayer w0.2: v1@97.38,23.238 97.576,23.238 C31.2@97.957,22.857 ; v1(98.269,12.824) 98.142,12.824 97.703,13.263 C33.2@97.634,13.263 97.576,13.263 97.097,13.742 97.097,14.596 97.175,14.674 97.175,15.794 99.158,17.777 99.158,18.908 98.836,19.23 98.836,19.242 98.777,19.301 98.777,20.717 98.79,20.73 98.79,22.082 C31.2@98.044,22.828 ; R3.1@105.194,24.638 104.351,24.638 103.407,25.582 ; v1(120.142,33.553) 120.142,34.156 120.904,34.918 120.904,35.218 C135.1@121.458,35.772 119.792,35.772 118.519,34.499 118.519,33.033 114.743,29.258 105.153,29.258 105.02,29.125 105.02,27.196 103.407,25.582 ; C31.2@97.957,22.857 C31.2@98.015,22.799 C31.2@98.044,22.828 ; C31.2@97.957,22.857 98.015,22.857 C31.2@98.044,22.828 ; C31.2@98.044,22.828 99.185,23.969 101.794,23.969 103.407,25.582
DAC_VSS: C50.2 C53.2 C84.1 C146.1 IC18.17 IC18.36 IC33.5 R159.2 | length 62.6
  TopLayer w0.203: v1(95.856,21.841) 96.553,21.841 IC18.17@96.613,21.781 ; C84.1@98.426,11.046 98.65,11.046 98.904,11.3 98.904,11.711 98.832,11.711 98.552,11.991 98.552,12.387 98.904,12.739 v1(98.904,12.824) 98.813,12.915 IC18.36@98.813,13.581 ; R159.2@124.05,37.589 124.154,37.485 IC33.5@125.785,37.485 126.694,37.485 v1(126.717,37.462)
  BottomLayer w0.203: v1@95.729,21.841 95.787,21.783 95.787,21.587 C53.2@96.295,21.079 96.592,20.782 96.592,20.464 96.846,20.21 96.846,15.09 95.983,14.226 95.983,13.078 97.126,11.935 98.65,11.935 98.904,12.189 v1(98.904,12.824) C50.2@98.904,13.39 ; v1(95.856,21.841) 95.856,22.349 96.364,22.857 96.364,23.773 96.952,24.361 96.952,24.969 97.507,25.524 101.571,25.524 103.857,27.81 103.857,28.656 104.787,29.587 114.607,29.587 118.19,33.17 118.19,36.522 119.226,37.558 120.436,37.558 120.744,37.251 C146.1@125.46,37.251 ; C146.1@125.066,37.589 125.193,37.462 v1(126.717,37.462)